# KiCad board MiniCalc_A.kicad_pcb
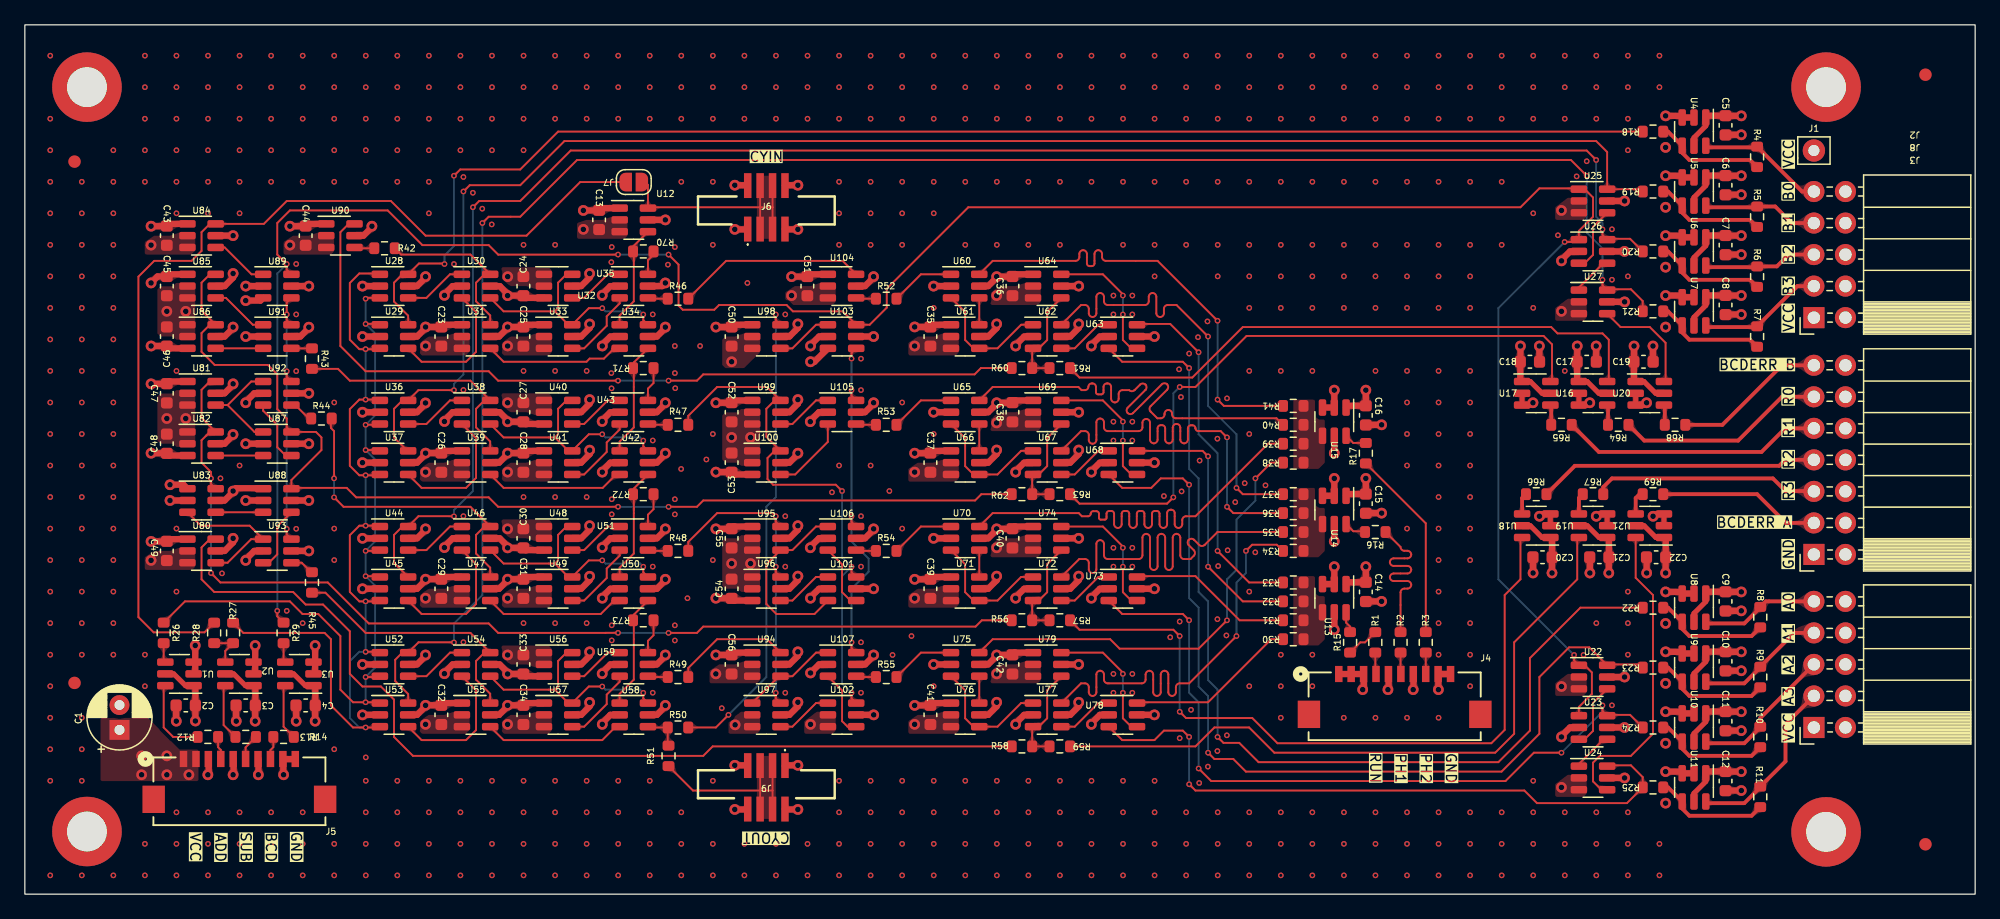
[diagram p0: board, top side]
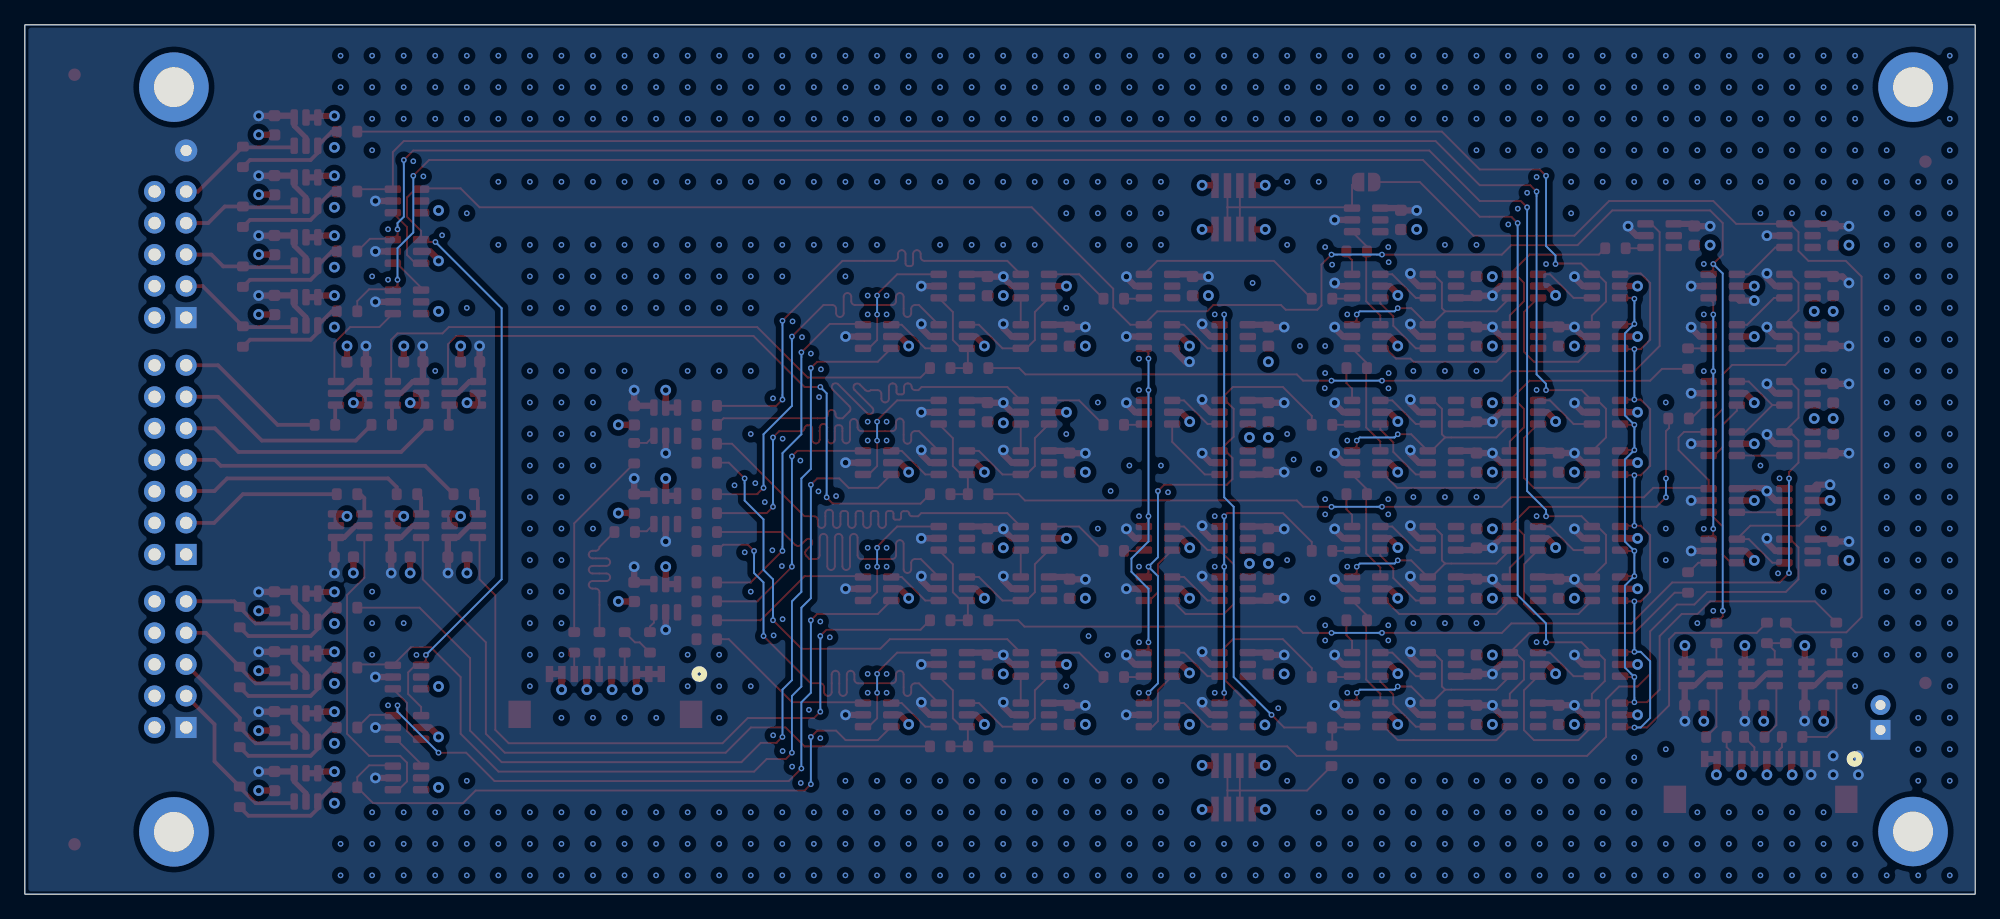
[diagram p1: board, bottom side, seen from below]

Outline 157 x 70.04 mm; copper layers: Top, GND_2 (plane), GND_3 (plane), Bottom. Coordinates in mm from the lower left corner of the outline.
Outline path: rectangle 0,70.04 157,0
Stack: Top 0.035mm / dielectric 0.1mm FR4 er 4.5 / GND_2 0.035mm / dielectric 1.24mm FR4 er 4.5 / GND_3 0.035mm / dielectric 0.1mm FR4 er 4.5 / Bottom 0.035mm

## Placement (name value [footprint] x y rotation side)
C1  22uF  [CP_Radial_D5.0mm_P2.00mm]  7.62 13.24 90 top
C2  10n  [C_0603_1608Metric]  12.95 15.21 180 top
C3  10n  [C_0603_1608Metric]  17.78 15.21 180 top
C4  10n  [C_0603_1608Metric]  22.61 15.21 180 top
C5  10n  [C_0603_1608Metric]  136.91 61.94 270 top
C6  10n  [C_0603_1608Metric]  136.91 57.12 270 top
C7  10n  [C_0603_1608Metric]  136.91 52.29 270 top
C8  10n  [C_0603_1608Metric]  136.91 47.47 270 top
C9  10n  [C_0603_1608Metric]  136.91 23.59 270 top
C10  10n  [C_0603_1608Metric]  136.91 18.76 270 top
C11  10n  [C_0603_1608Metric]  136.91 13.94 270 top
C12  10n  [C_0603_1608Metric]  136.91 9.11 270 top
C13  10n  [C_0603_1608Metric]  46.23 54.32 270 top
C14  10n  [C_0603_1608Metric]  107.95 24.35 270 top
C15  10n  [C_0603_1608Metric]  107.95 31.46 270 top
C16  10n  [C_0603_1608Metric]  107.95 38.58 270 top
C17  10n  [C_0603_1608Metric]  125.73 42.89 0 top
C18  10n  [C_0603_1608Metric]  121.16 42.89 0 top
C19  10n  [C_0603_1608Metric]  130.3 42.89 0 top
C20  10n  [C_0603_1608Metric]  122.17 27.15 180 top
C21  10n  [C_0603_1608Metric]  126.75 27.15 180 top
C22  10n  [C_0603_1608Metric]  131.32 27.15 180 top
C23  10n  [C_0603_1608Metric]  33.53 44.93 270 top
C24  10n  [C_0603_1608Metric]  40.13 48.99 90 top
C25  10n  [C_0603_1608Metric]  40.13 44.93 270 top
C26  10n  [C_0603_1608Metric]  33.53 34.77 270 top
C27  10n  [C_0603_1608Metric]  40.13 38.83 90 top
C28  10n  [C_0603_1608Metric]  40.13 34.77 270 top
C29  10n  [C_0603_1608Metric]  33.53 24.61 270 top
C30  10n  [C_0603_1608Metric]  40.13 28.67 90 top
C31  10n  [C_0603_1608Metric]  40.13 24.61 270 top
C32  10n  [C_0603_1608Metric]  33.53 14.45 270 top
C33  10n  [C_0603_1608Metric]  40.13 18.51 90 top
C34  10n  [C_0603_1608Metric]  40.13 14.45 270 top
C35  10n  [C_0603_1608Metric]  72.9 44.93 270 top
C36  10n  [C_0603_1608Metric]  79.5 48.99 270 top
C37  10n  [C_0603_1608Metric]  72.9 34.77 270 top
C38  10n  [C_0603_1608Metric]  79.5 38.83 270 top
C39  10n  [C_0603_1608Metric]  72.9 24.61 270 top
C40  10n  [C_0603_1608Metric]  79.5 28.67 270 top
C41  10n  [C_0603_1608Metric]  72.9 14.45 270 top
C42  10n  [C_0603_1608Metric]  79.5 18.51 270 top
C43  10n  [C_0603_1608Metric]  11.43 53.05 270 top
C44  10n  [C_0603_1608Metric]  22.61 53.05 270 top
C45  10n  [C_0603_1608Metric]  11.43 48.99 270 top
C46  10n  [C_0603_1608Metric]  11.43 44.93 90 top
C47  10n  [C_0603_1608Metric]  11.43 40.35 270 top
C48  10n  [C_0603_1608Metric]  11.43 36.29 90 top
C49  10n  [C_0603_1608Metric]  11.43 27.65 270 top
C50  10n  [C_0603_1608Metric]  56.9 44.93 270 top
C51  10n  [C_0603_1608Metric]  62.99 48.99 270 top
C52  10n  [C_0603_1608Metric]  56.9 38.83 270 top
C53  10n  [C_0603_1608Metric]  56.9 34.77 90 top
C54  10n  [C_0603_1608Metric]  56.9 24.61 90 top
C55  10n  [C_0603_1608Metric]  56.9 28.67 270 top
C56  10n  [C_0603_1608Metric]  56.9 18.51 270 top
FID1  Fiducial  [Fiducial_1mm_Mask2mm]  153 66.02 0 top
FID2  Fiducial  [Fiducial_1mm_Mask2mm]  153 4.02 0 top
FID3  Fiducial  [Fiducial_1mm_Mask2mm]  4 59.02 0 top
FID4  Fiducial  [Fiducial_1mm_Mask2mm]  4 17.02 0 top
H1  MountingHole  [MountingHole_3.2mm_M3_DIN965_Pad]  145 65.02 0 top
H2  MountingHole  [MountingHole_3.2mm_M3_DIN965_Pad]  145 5.02 0 top
H3  MountingHole  [MountingHole_3.2mm_M3_DIN965_Pad]  5 65.02 0 top
H4  MountingHole  [MountingHole_3.2mm_M3_DIN965_Pad]  5 5.05 0 top
J1  Conn_01x01_Pin  [Pin_D0.9mm_L10.0mm_W2.4mm_FlatFork]  144.02 59.91 0 top
J2  Conn_01x10_Pin  [PinSocket_2x05_P2.54mm_Horizontal]  144.02 46.45 180 top
J3  Conn_01x10_Pin  [PinSocket_2x05_P2.54mm_Horizontal]  144.02 13.43 180 top
J4  XF3M1-1015-1B  [CONN_XF3M1-1015-1B_OMR]  110.27 17.74 0 top
J5  XF3M1-1015-1B  [CONN_XF3M1-1015-1B_OMR]  17.27 10.89 0 top
J6  FFC3A20-04-G_meu  [FFC3A2004G_meu]  59.69 55.09 0 top
J7  Conn_01x02_Pin  [SolderJumper-2_P1.3mm_Open_RoundedPad1.0x1.5mm]  49.02 57.37 180 top
J8  Conn_01x10_Pin  [PinSocket_2x07_P2.54mm_Horizontal]  144.02 27.37 180 top
J9  FFC3A20-04-G_meu  [FFC3A2004G_meu]  59.69 8.86 180 top
R1  36R  [R_0603_1608Metric]  108.71 20.29 90 top
R2  36R  [R_0603_1608Metric]  110.74 20.29 90 top
R3  36R  [R_0603_1608Metric]  112.78 20.29 90 top
R4  1K5  [R_0603_1608Metric]  139.45 59.4 270 top
R5  1K5  [R_0603_1608Metric]  139.45 54.58 270 top
R6  1K5  [R_0603_1608Metric]  139.45 49.75 270 top
R7  1K5  [R_0603_1608Metric]  139.45 44.93 270 top
R8  1K5  [R_0603_1608Metric]  139.7 22.32 270 top
R9  1K5  [R_0603_1608Metric]  139.7 17.49 270 top
R10  1K5  [R_0603_1608Metric]  139.7 12.67 270 top
R11  1K5  [R_0603_1608Metric]  139.7 7.84 270 top
R12  36R  [R_0603_1608Metric]  14.73 12.67 180 top
R13  36R  [R_0603_1608Metric]  17.78 12.67 180 top
R14  36R  [R_0603_1608Metric]  20.83 12.67 0 top
R15  36R  [R_0603_1608Metric]  106.68 20.29 90 top
R16  36R  [R_0603_1608Metric]  108.71 29.18 180 top
R17  36R  [R_0603_1608Metric]  107.95 35.53 90 top
R18  36R  [R_0603_1608Metric]  131.06 61.44 180 top
R19  36R  [R_0603_1608Metric]  131.06 56.61 180 top
R20  36R  [R_0603_1608Metric]  131.06 51.78 180 top
R21  36R  [R_0603_1608Metric]  131.06 46.96 180 top
R22  36R  [R_0603_1608Metric]  131.06 23.08 180 top
R23  36R  [R_0603_1608Metric]  131.06 18.26 180 top
R24  36R  [R_0603_1608Metric]  131.06 13.43 180 top
R25  36R  [R_0603_1608Metric]  131.06 8.6 180 top
R26  36R  [R_0603_1608Metric]  11.18 21.05 90 top
R27  36R  [R_0603_1608Metric]  16.76 21.05 90 top
R28  36R  [R_0603_1608Metric]  15.24 21.05 90 top
R29  36R  [R_0603_1608Metric]  20.83 21.05 90 top
R30  36R  [R_0603_1608Metric]  102.11 20.54 180 top
R31  36R  [R_0603_1608Metric]  102.11 22.07 180 top
R32  36R  [R_0603_1608Metric]  102.11 23.59 180 top
R33  36R  [R_0603_1608Metric]  102.11 25.11 180 top
R34  36R  [R_0603_1608Metric]  102.11 27.65 180 top
R35  36R  [R_0603_1608Metric]  102.11 29.18 180 top
R36  36R  [R_0603_1608Metric]  102.11 30.7 180 top
R37  36R  [R_0603_1608Metric]  102.11 32.23 180 top
R38  36R  [R_0603_1608Metric]  102.11 34.77 180 top
R39  36R  [R_0603_1608Metric]  102.11 36.29 180 top
R40  36R  [R_0603_1608Metric]  102.11 37.81 180 top
R41  36R  [R_0603_1608Metric]  102.11 39.34 180 top
R42  36R  [R_0603_1608Metric]  28.96 52.04 0 top
R43  36R  [R_0603_1608Metric]  23.11 43.15 270 top
R44  36R  [R_0603_1608Metric]  23.88 38.32 0 top
R45  36R  [R_0603_1608Metric]  23.11 25.11 270 top
R46  36R  [R_0603_1608Metric]  52.58 47.97 0 top
R47  36R  [R_0603_1608Metric]  52.58 37.81 0 top
R48  36R  [R_0603_1608Metric]  52.58 27.65 0 top
R49  36R  [R_0603_1608Metric]  52.58 17.49 0 top
R50  36R  [R_0603_1608Metric]  52.58 13.43 0 top
R51  36R  [R_0603_1608Metric]  51.82 11.14 90 top
R52  36R  [R_0603_1608Metric]  69.34 47.97 0 top
R53  36R  [R_0603_1608Metric]  69.34 37.81 0 top
R54  36R  [R_0603_1608Metric]  69.34 27.65 0 top
R55  36R  [R_0603_1608Metric]  69.34 17.49 0 top
R56  36R  [R_0603_1608Metric]  80.26 22.07 0 top
R57  36R  [R_0603_1608Metric]  83.31 22.07 180 top
R58  36R  [R_0603_1608Metric]  80.26 11.91 0 top
R59  36R  [R_0603_1608Metric]  83.31 11.91 180 top
R60  36R  [R_0603_1608Metric]  80.26 42.39 0 top
R61  36R  [R_0603_1608Metric]  83.31 42.39 180 top
R62  36R  [R_0603_1608Metric]  80.26 32.23 0 top
R63  36R  [R_0603_1608Metric]  83.31 32.23 180 top
R64  100R  [R_0603_1608Metric]  128.27 37.81 180 top
R65  100R  [R_0603_1608Metric]  123.7 37.81 180 top
R66  100R  [R_0603_1608Metric]  121.67 32.23 180 top
R67  100R  [R_0603_1608Metric]  126.24 32.23 180 top
R68  100R  [R_0603_1608Metric]  132.84 37.81 180 top
R69  100R  [R_0603_1608Metric]  131.06 32.23 180 top
R70  200R  [R_0603_1608Metric]  49.78 51.78 180 top
R71  200R  [R_0603_1608Metric]  49.78 42.39 180 top
R72  200R  [R_0603_1608Metric]  49.78 32.23 180 top
R73  200R  [R_0603_1608Metric]  49.78 22.07 180 top
U1  1G3157  [SOT-23-6]  12.45 17.75 180 top
U2  1G3157  [SOT-23-6]  17.27 17.75 180 top
U3  1G3157  [SOT-23-6]  22.1 17.75 180 top
U4  1G3157  [SOT-23-6]  134.37 61.44 270 top
U5  1G3157  [SOT-23-6]  134.37 56.61 270 top
U6  1G3157  [SOT-23-6]  134.37 51.78 270 top
U7  1G3157  [SOT-23-6]  134.37 46.96 270 top
U8  1G3157  [SOT-23-6]  134.37 23.08 270 top
U9  1G3157  [SOT-23-6]  134.37 18.26 270 top
U10  1G3157  [SOT-23-6]  134.37 13.43 270 top
U11  1G3157  [SOT-23-6]  134.37 8.6 270 top
U12  1G3157  [SOT-23-6]  49.02 54.32 0 top
U13  1G3157  [SOT-23-6]  105.41 23.84 270 top
U14  1G3157  [SOT-23-6]  105.41 30.96 270 top
U15  1G3157  [SOT-23-6]  105.41 38.07 270 top
U16  1G3157  [SOT-23-6]  126.24 40.35 0 top
U17  1G3157  [SOT-23-6]  121.67 40.35 0 top
U18  1G3157  [SOT-23-6]  121.67 29.69 180 top
U19  1G3157  [SOT-23-6]  126.24 29.69 180 top
U20  1G3157  [SOT-23-6]  130.81 40.35 0 top
U21  1G3157  [SOT-23-6]  130.81 29.69 180 top
U22  1G3157  [SOT-23-6]  126.24 17.49 0 top
U23  1G3157  [SOT-23-6]  126.24 13.43 0 top
U24  1G3157  [SOT-23-6]  126.24 9.37 0 top
U25  1G3157  [SOT-23-6]  126.24 55.85 0 top
U26  1G3157  [SOT-23-6]  126.24 51.78 0 top
U27  1G3157  [SOT-23-6]  126.24 47.72 0 top
U28  1G3157  [SOT-23-6]  29.72 48.99 0 top
U29  1G3157  [SOT-23-6]  29.72 44.93 0 top
U30  1G3157  [SOT-23-6]  36.32 48.99 0 top
U31  1G3157  [SOT-23-6]  36.32 44.93 0 top
U32  1G3157  [SOT-23-6]  42.93 48.99 0 top
U33  1G3157  [SOT-23-6]  42.93 44.93 0 top
U34  1G3157  [SOT-23-6]  49.02 44.93 0 top
U35  1G3157  [SOT-23-6]  49.02 48.99 0 top
U36  1G3157  [SOT-23-6]  29.72 38.83 0 top
U37  1G3157  [SOT-23-6]  29.72 34.77 0 top
U38  1G3157  [SOT-23-6]  36.32 38.83 0 top
U39  1G3157  [SOT-23-6]  36.32 34.77 0 top
U40  1G3157  [SOT-23-6]  42.93 38.83 0 top
U41  1G3157  [SOT-23-6]  42.93 34.77 0 top
U42  1G3157  [SOT-23-6]  49.02 34.77 0 top
U43  1G3157  [SOT-23-6]  49.02 38.83 0 top
U44  1G3157  [SOT-23-6]  29.72 28.67 0 top
U45  1G3157  [SOT-23-6]  29.72 24.61 0 top
U46  1G3157  [SOT-23-6]  36.32 28.67 0 top
U47  1G3157  [SOT-23-6]  36.32 24.61 0 top
U48  1G3157  [SOT-23-6]  42.93 28.67 0 top
U49  1G3157  [SOT-23-6]  42.93 24.61 0 top
U50  1G3157  [SOT-23-6]  49.02 24.61 0 top
U51  1G3157  [SOT-23-6]  49.02 28.67 0 top
U52  1G3157  [SOT-23-6]  29.72 18.51 0 top
U53  1G3157  [SOT-23-6]  29.72 14.45 0 top
U54  1G3157  [SOT-23-6]  36.32 18.51 0 top
U55  1G3157  [SOT-23-6]  36.32 14.45 0 top
U56  1G3157  [SOT-23-6]  42.93 18.51 0 top
U57  1G3157  [SOT-23-6]  42.93 14.45 0 top
U58  1G3157  [SOT-23-6]  49.02 14.45 0 top
U59  1G3157  [SOT-23-6]  49.02 18.51 0 top
U60  1G3157  [SOT-23-6]  75.69 48.99 0 top
U61  1G3157  [SOT-23-6]  75.69 44.93 0 top
U62  1G3157  [SOT-23-6]  82.3 44.93 0 top
U63  1G3157  [SOT-23-6]  88.39 44.93 0 top
U64  1G3157  [SOT-23-6]  82.3 48.99 0 top
U65  1G3157  [SOT-23-6]  75.69 38.83 0 top
U66  1G3157  [SOT-23-6]  75.69 34.77 0 top
U67  1G3157  [SOT-23-6]  82.3 34.77 0 top
U68  1G3157  [SOT-23-6]  88.39 34.77 0 top
U69  1G3157  [SOT-23-6]  82.3 38.83 0 top
U70  1G3157  [SOT-23-6]  75.69 28.67 0 top
U71  1G3157  [SOT-23-6]  75.69 24.61 0 top
U72  1G3157  [SOT-23-6]  82.3 24.61 0 top
U73  1G3157  [SOT-23-6]  88.39 24.61 0 top
U74  1G3157  [SOT-23-6]  82.3 28.67 0 top
U75  1G3157  [SOT-23-6]  75.69 18.51 0 top
U76  1G3157  [SOT-23-6]  75.69 14.45 0 top
U77  1G3157  [SOT-23-6]  82.3 14.45 0 top
U78  1G3157  [SOT-23-6]  88.39 14.45 0 top
U79  1G3157  [SOT-23-6]  82.3 18.51 0 top
U80  1G3157  [SOT-23-6]  14.22 27.65 0 top
U81  1G3157  [SOT-23-6]  14.22 40.35 0 top
U82  1G3157  [SOT-23-6]  14.22 36.29 0 top
U83  1G3157  [SOT-23-6]  14.22 31.72 0 top
U84  1G3157  [SOT-23-6]  14.22 53.05 0 top
U85  1G3157  [SOT-23-6]  14.22 48.99 0 top
U86  1G3157  [SOT-23-6]  14.22 44.93 0 top
U87  1G3157  [SOT-23-6]  20.32 36.29 0 top
U88  1G3157  [SOT-23-6]  20.32 31.72 0 top
U89  1G3157  [SOT-23-6]  20.32 48.99 0 top
U90  1G3157  [SOT-23-6]  25.4 53.05 0 top
U91  1G3157  [SOT-23-6]  20.32 44.93 0 top
U92  1G3157  [SOT-23-6]  20.32 40.35 0 top
U93  1G3157  [SOT-23-6]  20.32 27.65 0 top
U94  1G3157  [SOT-23-6]  59.69 18.51 0 top
U95  1G3157  [SOT-23-6]  59.69 28.67 0 top
U96  1G3157  [SOT-23-6]  59.69 24.61 0 top
U97  1G3157  [SOT-23-6]  59.69 14.45 0 top
U98  1G3157  [SOT-23-6]  59.69 44.93 0 top
U99  1G3157  [SOT-23-6]  59.69 38.83 0 top
U100  1G3157  [SOT-23-6]  59.69 34.77 0 top
U101  1G3157  [SOT-23-6]  65.79 24.61 0 top
U102  1G3157  [SOT-23-6]  65.79 14.45 0 top
U103  1G3157  [SOT-23-6]  65.79 44.93 0 top
U104  1G3157  [SOT-23-6]  65.78 48.99 0 top
U105  1G3157  [SOT-23-6]  65.78 38.83 0 top
U106  1G3157  [SOT-23-6]  65.78 28.67 0 top
U107  1G3157  [SOT-23-6]  65.79 18.51 0 top

## Library data of the parts
C1 = -: Description: Polarized capacitor; Sim.Device: C; Sim.Pins: 1=+ 2=-
C2-C56 = -: Description: Unpolarized capacitor
FID1-FID4 = -: Description: Fiducial Marker
H1-H4 = -: Description: Mounting Hole without connection
J1 = -: Description: Generic connector, single row, 01x01, script generated
J2 J3 = -: Description: Generic connector, single row, 01x10, script generated
J6 J9 = -: Description: FFC & FPC Connectors 04W, 1mm FFC Con, Vert, H5.5mm, Gold, SMT, T&R; Height: 5.6; Manufacturer_Name: GCT (GLOBAL CONNECTOR TECHNOLOGY); Manufacturer_Part_Number: FFC3A20-04-G
J7 = -: Description: Generic connector, single row, 01x02, script generated
J8 = -: Description: Generic connector, single row, 01x14, script generated
R1-R73 = -: Description: Resistor
U1-U107 = -: Manufacturer: Texas Instruments; Part Number: SN74LVC1G3157DBVR; Sim.Device: SUBCKT; Sim.Library: ../SpiceModelsGlobal/AnalogSPDT.txt; Sim.Name: 74LVC1G3157; Sim.Pins: 1=1 3=3 4=4 5=5 6=6

## Footprints (pads in the part's own frame, mm; a bottom-side part is the same pattern mirrored in y, then rotated)
C_0603_1608Metric
  rrect 0.9x0.95 smd: 1(-0.775,0) 2(0.775,0)
CONN_XF3M1-1015-1B_OMR
  rect 0.6x1.3 smd: 1(-4.5,0) 2(-3.5,0) 3(-2.5,0) 4(-1.5,0) 5(-0.5,0) 6(0.5,0) 7(1.5,0) 8(2.5,0) 9(3.5,0) 10(4.5,0)
  rect 1.8x2.2 smd: 11(-6.9,-3.25) 12(6.9,-3.25)
CP_Radial_D5.0mm_P2.00mm
  rect 1.6x1.6 hole 0.8: 1(0,0)
  round 1.6 hole 0.8: 2(2,0)
FFC3A2004G_meu
  rect 0.6x2 smd: 1(-1.5,2) 1(-1.5,-1.5) 2(-0.5,2) 2(-0.5,-1.5) 3(0.5,2) 3(0.5,-1.5) 4(1.5,2) 4(1.5,-1.5)
Fiducial_1mm_Mask2mm
  round 1 smd: (0,0)
MountingHole_3.2mm_M3_DIN965_Pad
  round 5.6 hole 3.2: 1(0,0)
Pin_D0.9mm_L10.0mm_W2.4mm_FlatFork
  round 1.8 hole 0.9: 1(0,0)
PinSocket_2x05_P2.54mm_Horizontal
  rect 1.7x1.7 hole 1: 1(0,0)
  oval 1.7x1.7 hole 1: 2(-2.54,0) 3(0,-2.54) 4(-2.54,-2.54) 5(0,-5.08) 6(-2.54,-5.08) 7(0,-7.62) 8(-2.54,-7.62) 9(0,-10.16) 10(-2.54,-10.16)
PinSocket_2x07_P2.54mm_Horizontal
  rect 1.7x1.7 hole 1: 1(0,0)
  oval 1.7x1.7 hole 1: 2(-2.54,0) 3(0,-2.54) 4(-2.54,-2.54) 5(0,-5.08) 6(-2.54,-5.08) 7(0,-7.62) 8(-2.54,-7.62) 9(0,-10.16) 10(-2.54,-10.16) 11(0,-12.7) 12(-2.54,-12.7) 13(0,-15.24) 14(-2.54,-15.24)
R_0603_1608Metric
  rrect 0.8x0.95 smd: 1(-0.825,0) 2(0.825,0)
SolderJumper-2_P1.3mm_Open_RoundedPad1.0x1.5mm
  custom 1x1.5 smd: 1(-0.65,0) 2(0.65,0)
SOT-23-6
  rrect 1.325x0.6 smd: 1(-1.137,0.95) 2(-1.137,0) 3(-1.137,-0.95) 4(1.137,-0.95) 5(1.137,0) 6(1.137,0.95)

## Nets
GND: C1.2 C2.2 C3.2 C4.2 C5.2 C6.2 C7.2 C8.2 C9.2 C10.2 C11.2 C12.2 C13.2 C14.2 C15.2 C16.2 C17.2 C18.2 C19.2 C20.2 C21.2 C22.2 C23.2 C24.2 C25.2 C26.2 C27.2 C28.2 C29.2 C30.2 C31.2 C32.2 C33.2 C34.2 C35.2 C36.2 C37.2 C38.2 C39.2 C40.2 C41.2 C42.2 C43.2 C44.2 C45.2 C46.2 C47.2 C48.2 C49.2 C50.2 C51.2 C52.2 C53.2 C54.2 C55.2 C56.2 J2.2 J2.4 J2.6 J2.8 J2.10 J3.2 J3.4 J3.6 J3.8 J3.10 J4.1 J4.2 J4.3 J4.5 J4.7 J4.9 J4.10 J5.3 J5.5 J5.7 J5.9 J5.10 J6.1 J6.4 J8.1 J8.2 J8.4 J8.6 J8.8 J8.10 J8.12 J8.14 J9.1 J9.4 U1.2 U1.3 U2.2 U2.3 U3.2 U3.3 U4.2 U4.3 U5.2 U5.3 U6.2 U6.3 U7.2 U7.3 U8.2 U8.3 U9.2 U9.3 U10.2 U10.3 U11.2 U11.3 U12.2 U12.3 U13.2 U13.3 U14.2 U14.3 U15.2 U15.3 U16.2 U16.3 U17.2 U17.3 U18.2 U18.3 U19.2 U19.3 U20.2 U20.3 U21.2 U21.3 U22.2 U22.3 U23.2 U24.2 U24.3 U25.2 U25.3 U26.2 U27.2 U27.3 U28.2 U29.2 U30.2 U31.2 U31.3 U32.1 U32.2 U33.2 U33.3 U34.2 U35.2 U36.2 U37.2 U38.2 U39.2 U39.3 U40.1 U40.2 U41.2 U41.3 U42.2 U43.2 U44.2 U45.2 U46.2 U47.2 U47.3 U48.1 U48.2 U49.2 U49.3 U50.2 U51.2 U52.2 U53.2 U54.2 U55.2 U55.3 U56.1 U56.2 U57.2 U57.3 U58.2 U59.2 U60.2 U61.2 U61.3 U62.2 U63.2 U64.2 U64.3 U65.2 U66.2 U66.3 U67.2 U68.2 U69.2 U69.3 U70.2 U71.2 U71.3 U72.2 U73.2 U74.2 U74.3 U75.2 U76.2 U76.3 U77.2 U78.2 U79.2 U79.3 U80.2 U80.3 U81.2 U81.3 U82.1 U82.2 U83.2 U84.2 U84.3 U85.2 U85.3 U86.1 U86.2 U87.2 U88.2 U89.2 U90.2 U90.3 U91.2 U92.2 U93.2 U94.2 U94.3 U95.2 U95.3 U96.1 U96.2 U97.2 U97.3 U98.2 U98.3 U99.2 U99.3 U100.1 U100.2 U101.2 U102.2 U102.3 U103.2 U104.2 U104.3 U105.2 U106.2 U107.2
VCC: C1.1 C2.1 C3.1 C4.1 C5.1 C6.1 C7.1 C8.1 C9.1 C10.1 C11.1 C12.1 C13.1 C14.1 C15.1 C16.1 C17.1 C18.1 C19.1 C20.1 C21.1 C22.1 C23.1 C24.1 C25.1 C26.1 C27.1 C28.1 C29.1 C30.1 C31.1 C32.1 C33.1 C34.1 C35.1 C36.1 C37.1 C38.1 C39.1 C40.1 C41.1 C42.1 C43.1 C44.1 C45.1 C46.1 C47.1 C48.1 C49.1 C50.1 C51.1 C52.1 C53.1 C54.1 C55.1 C56.1 J1.1 J2.1 J3.1 J5.1 J5.2 U1.1 U1.5 U2.1 U2.5 U3.1 U3.5 U4.1 U4.5 U5.1 U5.5 U6.1 U6.5 U7.1 U7.5 U8.1 U8.5 U9.1 U9.5 U10.1 U10.5 U11.1 U11.5 U12.1 U12.5 U13.1 U13.5 U14.1 U14.5 U15.1 U15.5 U16.1 U16.5 U17.1 U17.5 U18.1 U18.5 U19.1 U19.5 U20.1 U20.5 U21.1 U21.5 U22.5 U23.5 U24.5 U25.5 U26.5 U27.5 U28.5 U29.5 U30.5 U31.1 U31.5 U32.3 U32.5 U33.1 U33.5 U34.5 U35.5 U36.5 U37.5 U38.5 U39.1 U39.5 U40.3 U40.5 U41.1 U41.5 U42.5 U43.5 U44.5 U45.5 U46.5 U47.1 U47.5 U48.3 U48.5 U49.1 U49.5 U50.5 U51.5 U52.5 U53.5 U54.5 U55.1 U55.5 U56.3 U56.5 U57.1 U57.5 U58.5 U59.5 U60.5 U61.1 U61.5 U62.5 U63.5 U64.1 U64.5 U65.5 U66.1 U66.5 U67.5 U68.5 U69.1 U69.5 U70.5 U71.1 U71.5 U72.5 U73.5 U74.1 U74.5 U75.5 U76.1 U76.5 U77.5 U78.5 U79.1 U79.5 U80.1 U80.5 U81.1 U81.5 U82.3 U82.5 U83.1 U83.5 U84.1 U84.5 U85.1 U85.5 U86.3 U86.5 U87.5 U88.1 U88.5 U89.3 U89.5 U90.1 U90.5 U91.5 U92.5 U93.5 U94.1 U94.5 U95.1 U95.5 U96.3 U96.5 U97.5 U98.1 U98.5 U99.1 U99.5 U100.3 U100.5 U101.5 U102.5 U103.3 U103.5 U104.1 U104.5 U105.5 U106.5 U107.5
/A0: R22.2 U63.3
/A1: R23.2 U22.6 U68.3
/A2: R24.2 U23.6 U73.3
/A3: R25.2 U24.6 U78.3
/ADD: R26.2 U28.3 U29.1 U36.3 U37.1 U44.3 U45.1 U52.3 U53.1
/B0: R18.2 U28.6 U29.6
/B1: R19.2 U25.6 U36.6 U37.6
/B2: R20.2 U26.6 U44.6 U45.6
/B3: R21.2 U27.6 U52.6 U53.6
/BCD: R29.2 U22.1 U23.1 U25.1 U26.1 U89.6 U103.6
/BCDErrA: U21.6 U24.4
/BCDErrB: U20.6 U27.4
/Cin: R70.2 U12.4 U34.1
/Cin_I: J6.2 J6.3 J7.1 U12.6
/Cout: J9.2 J9.3 R51.1
/IN0/I: R12.2 U1.6
/IN0/O: R26.1 U1.4
/IN1/I: R13.2 U2.6
/IN1/O: R27.1 R28.1 U2.4
/IN2/I: R14.2 U3.6
/IN2/O: R29.1 U3.4
/IN3/I: J2.9 R4.1 U4.6
/IN3/O: R4.2 R18.1 U4.4
/IN4/I: J2.7 R5.1 U5.6
/IN4/O: R5.2 R19.1 U5.4
/IN5/I: J2.5 R6.1 U6.6
/IN5/O: R6.2 R20.1 U6.4
/IN6/I: J2.3 R7.1 U7.6
/IN6/O: R7.2 R21.1 U7.4
/IN7/I: J3.9 R8.1 U8.6
/IN7/O: R8.2 R22.1 U8.4
/IN8/I: J3.7 R9.1 U9.6
/IN8/O: R9.2 R23.1 U9.4
/IN9/I: J3.5 R10.1 U10.6
/IN9/O: R10.2 R24.1 U10.4
/IN10/I: J3.3 R11.1 U11.6
/IN10/O: R11.2 R25.1 U11.4
/IN12/I: R15.2 U13.6
/IN12/O: R30.1 R31.1 R32.1 R33.1 U13.4
/IN13/I: R16.2 U14.6
/IN13/O: R34.1 R35.1 R36.1 R37.1 U14.4
/IN14/I: R17.2 U15.6
/IN14/O: R38.1 R39.1 R40.1 R41.1 U15.4
/Mini_6+/E: U89.4 U91.6 U92.6 U93.6
/Mini_6+/I0: R60.1 U90.6
/Mini_6+/I1: R62.1 U85.6 U86.6 U87.6 U88.6
/Mini_6+/I2: R56.1 U81.6 U82.6 U83.6
/Mini_6+/I3: R58.1 U80.6
/Mini_6+/Q0: R42.1 U90.4
/Mini_6+/Q1: R43.1 U91.4
/Mini_6+/Q2: R44.1 U92.4
/Mini_6+/Q3: R45.1 U93.4
/Mini_6-//EN: R50.2 U98.6
/Mini_6-/E: U103.4 U105.6 U106.6 U107.6
/Mini_6-/I0: R46.2 U104.6
/Mini_6-/I1: R47.2 U99.6 U100.6 U101.6 U102.6
/Mini_6-/I2: R48.2 U95.6 U96.6 U97.6
/Mini_6-/I3: R49.2 U94.6
/Mini_6-/Q0: R52.1 U104.4
/Mini_6-/Q1: R53.1 U105.4
/Mini_6-/Q2: R54.1 U106.4
/Mini_6-/Q3: R55.1 U107.4
/MiniAlu_A_1Bit0/A: R42.2 U30.6 U31.6
/MiniAlu_A_1Bit0/ALUA_Q: R46.1 U35.4
/MiniAlu_A_1Bit0/Cout: R71.2 U34.4 U42.1
/MiniAlu_A_1Bit1/A: R43.2 U38.6 U39.6
/MiniAlu_A_1Bit1/ALUA_Q: R47.1 U43.4
/MiniAlu_A_1Bit1/Cout: R72.2 U42.4 U50.1
/MiniAlu_A_1Bit2/A: R44.2 U46.6 U47.6
/MiniAlu_A_1Bit2/ALUA_Q: R48.1 U51.4
/MiniAlu_A_1Bit2/Cout: R73.2 U50.4 U58.1
/MiniAlu_A_1Bit3/A: R45.2 U54.6 U55.6
/MiniAlu_A_1Bit3/ALUA_Q: R49.1 U59.4
/MiniAlu_A_1Bit3/Cout: R50.1 R51.2 U58.4
/MiniReg_A_1Bit0/ALUA: R52.2 U60.1
/MiniReg_A_1Bit0/RESULT: R60.2 R61.2 U62.3 U64.4
/MiniReg_A_1Bit1/ALUA: R53.2 U65.1
/MiniReg_A_1Bit1/RESULT: R62.2 R63.2 U67.3 U69.4
/MiniReg_A_1Bit2/ALUA: R54.2 U70.1
/MiniReg_A_1Bit2/RESULT: R56.2 R57.2 U72.3 U74.4
/MiniReg_A_1Bit3/ALUA: R55.2 U75.1
/MiniReg_A_1Bit3/RESULT: R58.2 R59.2 U77.3 U79.4
/OUT0/O: J8.11 R64.1
/OUT1/O: J8.9 R65.1
/OUT2/O: J8.7 R66.1
/OUT3/O: J8.5 R67.1
/OUT4/O: J8.13 R68.1
/OUT5/O: J8.3 R69.1
/PH1A0: R37.2 U62.6
/PH1A1: R36.2 U67.6
/PH1A2: R35.2 U72.6
/PH1A3: R34.2 U77.6
/PH2A0: R41.2 U60.6
/PH2A1: R40.2 U65.6
/PH2A2: R39.2 U70.6
/PH2A3: R38.2 U75.6
/RESULT0: R61.1 U16.6
/RESULT1: R63.1 U17.6
/RESULT2: R57.1 U18.6
/RESULT3: R59.1 U19.6
/RUNA0: R33.2 U63.6
/RUNA1: R32.2 U68.6
/RUNA2: R31.2 U73.6
/RUNA3: R30.2 U78.6
/SUB: R27.2 U28.1 U29.3 U36.1 U37.3 U44.1 U45.3 U52.1 U53.3
/SUB_I: J7.2 R28.2 U84.6
Net-(J4-Pad4): J4.4 R1.1
Net-(J4-Pad6): J4.6 R2.1
Net-(J4-Pad8): J4.8 R3.1
Net-(J5-Pad4): J5.4 R12.1
Net-(J5-Pad6): J5.6 R13.1
Net-(J5-Pad8): J5.8 R14.1
Net-(R1-Pad2): R1.2 R15.1
Net-(R16-Pad1): R2.2 R16.1
Net-(R17-Pad1): R3.2 R17.1
Net-(R64-Pad2): R64.2 U16.4
Net-(R65-Pad2): R65.2 U17.4
Net-(R66-Pad2): R66.2 U18.4
Net-(R67-Pad2): R67.2 U19.4
Net-(R68-Pad2): R68.2 U20.4
Net-(R69-Pad2): R69.2 U21.4
Net-(R70-Pad1): R70.1 U35.6
Net-(R71-Pad1): R71.1 U43.6
Net-(R72-Pad1): R72.1 U51.6
Net-(R73-Pad1): R73.1 U59.6
Net-(U22-Pad4): U22.4 U23.3
Net-(U23-Pad4): U23.4 U24.1